# Altium PCB 0020-03_FFT2G.PcbDoc (part 3 of 16) (continued)
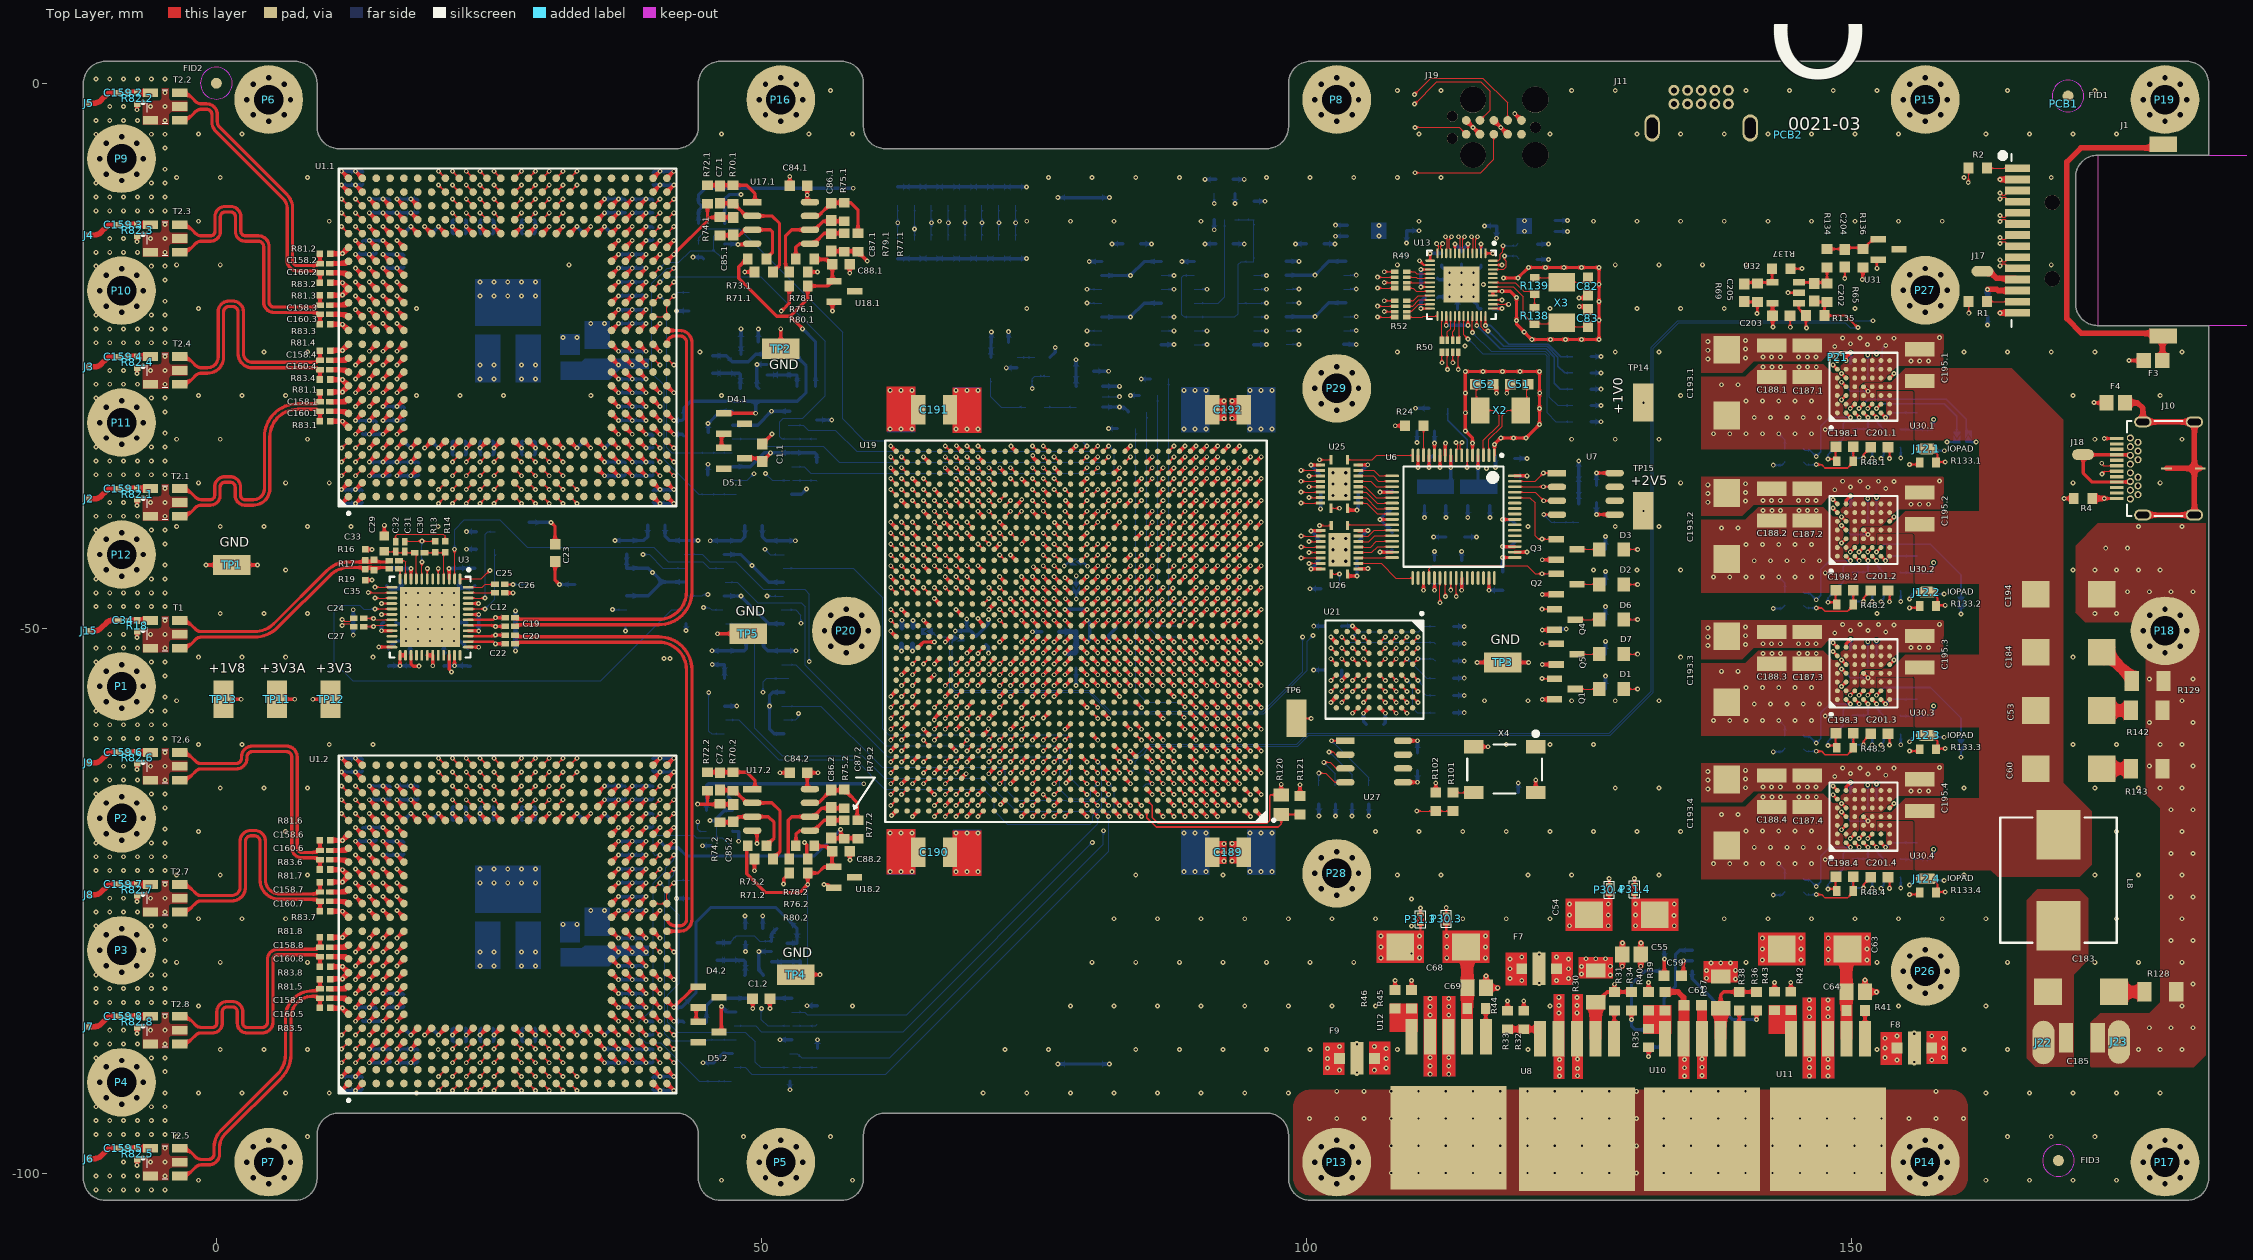
[diagram p0: Top Layer view]
## Footprints (in the part's own frame and the unit in brackets; to place one, negate y for a bottom-side part, rotate by r counter-clockwise, add the part's x,y. Pads: shape width x height; smd on the part's side, far side on the other; paste and mask are expansions set on the pad) (continued)
  rect 3.3x3.3 smd: 49(0,0)
  silkscreen extent -3.92,-3.15 3.15,3.15, body extent -3,-3 3,3, height 0.9
RESC1005L [mm] "Chip Resistor, Body 1.1x0.5mm, IPC High Density"
  rect 0.6x0.6 smd: 1(-0.5,0) 2(0.5,0)
  body extent -0.51,-0.25 0.54,0.25, height 0.4
RESC1608L [mm] "Chip Resistor, Body 1.6x0.8mm, IPC High Density"
  rect 0.7x0.9 smd: 1(-0.75,0) 2(0.75,0)
  body extent -0.82,-0.4 0.82,0.4, height 0.6
RESC1608N [mm] "Chip Resistor, Body 1.6x0.8mm, IPC Medium Density"
  rect 0.9x1 smd: 1(-0.85,0) 2(0.85,0)
  body extent -0.82,-0.4 0.82,0.4, height 0.6
RESC2012N [mm] "Chip Resistor, Body 2.0x1.3mm, IPC Medium Density"
  rect 1.2x1.4 smd: 1(-0.9,0) 2(0.9,0)
  body extent -1.02,-0.63 1.02,0.63, height 0.6
RESC3216N [mm] "Chip Resistor, Body 3.2x1.6mm, IPC Medium Density"
  rect 1.3x1.8 smd: 1(-1.45,0) 2(1.45,0)
  body extent -1.63,-0.8 1.62,0.8, height 0.7
RESCAXS50P100X200X45-8N [mm]
  rect 0.7x0.45 smd: 1(-0.55,0.75) 4(-0.55,-0.75) 5(0.55,-0.75) 8(0.55,0.75)
  rect 0.7x0.3 smd: 2(-0.55,0.25) 3(-0.55,-0.25) 6(0.55,-0.25) 7(0.55,0.25)
  body extent -0.55,-1 0.55,1, height 0.35
S1751-46 [mm] "S1751-46"
  rect 3.45x1.85 smd: 1(0,0)
  body extent -1.62,-0.82 1.63,0.83, height 2.05
SMT_IO_PAD_0.5x0.5MM [mm] "Square SMT_IO_PAD_0.5x0.5MM"
  rect 0.5x0.5 smd: 1(0,0)
  body extent -0.15,-0.15 0.15,0.15, height 0.1
SMT_IO_PAD_2x1MM [mm] "SMT_IO_PAD_2x1MM"
  oval 2x1 smd: 1(0,0)
  body extent -1,-0.5 1,0.5, height 0.5
SMT_IO_PAD_4x2MM [mm] "SMT_IO_PAD_4x2MM"
  oval 4x2 smd: 1(0,0)
  body extent -1.97,-1 2,1, height 0.5
SOIC127P600X175-8N [mm] "SOIC, 8-Leads, Body 5,0x4,0mm (max), Pitch 1,27mm, IPC Medium Density"
  rect 1.7x0.6 smd: 1(-2.65,1.905)
  oval 1.7x0.6 smd: 2(-2.65,0.635) 3(-2.65,-0.635) 4(-2.65,-1.905) 5(2.65,-1.905) 6(2.65,-0.635) 7(2.65,0.635) 8(2.65,1.905)
  body extent -3.1,-2.5 3.1,2.5, height 2.04
SOIC127P600X175-14L [mm] "SOIC, 14-Leads, Body 8.8x4.0mm (max), Pitch 1.27mm, IPC High Density"
  oval 1.25x0.55 smd: 1(-2.625,3.81) 2(-2.625,2.54) 3(-2.625,1.27) 4(-2.625,0) 5(-2.625,-1.27) 6(-2.625,-2.54) 7(-2.625,-3.81) 8(2.625,-3.81) 9(2.625,-2.54) 10(2.625,-1.27) 11(2.625,0) 12(2.625,1.27) 13(2.625,2.54) 14(2.625,3.81)
  silkscreen extent -2.75,-4.4 1.6,4.76, body extent -3,-4.4 3,4.4, height 1.75
SOIC127P600X175-14N [mm] "SOIC, 14-Leads, Body 8.8x4.0mm (max), Pitch 1.27mm, IPC Medium Density"
  oval 1.45x0.6 smd: 1(-2.725,3.81) 2(-2.725,2.54) 3(-2.725,1.27) 4(-2.725,0) 5(-2.725,-1.27) 6(-2.725,-2.54) 7(-2.725,-3.81) 8(2.725,-3.81) 9(2.725,-2.54) 10(2.725,-1.27) 11(2.725,0) 12(2.725,1.27) 13(2.725,2.54) 14(2.725,3.81)
  silkscreen extent -2.85,-4.4 1.6,4.78, body extent -3,-4.4 3,4.4, height 1.75
SolderJumper-Footprint-1 [mm]
  rect 0.25x0.6 smd paste-0.6 mask+0.075: 1(-0.475,0) 2(0.475,0)
  Top Layer region: -0.1,0.3 0.35,0 -0.1,-0.3 0.595,-0.3 0.595,0.3
  Top Layer region: -0.475,0.3 -0.35,0.3 0.1,0 -0.35,-0.3 -0.475,-0.3
  Top Layer region: 0.025,0.3
  Top Layer region: -0.475,0
  silkscreen extent -0.77,-0.48 0.77,0.48
SOT95P230X110-3N [mm] "SOT23, 3-Leads, Body 3,0x2,5mm (max), Pitch 0,95mm, IPC Medium Density"
  rect 1.4x0.6 smd: 1(-0.95,0.95) 2(-0.95,-0.95) 3(0.95,0)
  body extent -1.25,-1.5 1.25,1.5, height 1.07
SOT95P280X100-5N [mm] "SOT23, 5-Leads, Body 3,1x3,0mm (max), Pitch 0,95mm, IPC Medium Density"
  rect 1.1x0.6 smd: 1(-1.2,0.95) 2(-1.2,0) 3(-1.2,-0.95) 4(1.2,-0.95) 5(1.2,0.95)
  body extent -1.25,-1.5 1.25,1.5, height 1.07
SOTFL50P160X73-3N [mm] "SOTFL, 3-Leads, Body 1.60x1.60mm, Pitch 0.50mm, IPC Medium Density"
  rect 1.4x0.8 smd: 1(-1.333,1.27) 2(-1.333,-1.27) 3(1.333,-1.27) 4(1.333,0) 5(1.333,1.27)
  silkscreen extent -2.16,-1.52 0.25,1.52, body extent -1.61,-1.52 1.65,1.52, height 2.75
"TC2050-IDC without connector" [mm] "TC2050-IDC"
  round 0.8 smd paste-0.9: 1(-2.54,-0.635) 2(-1.27,-0.635) 3(0,-0.635) 4(1.27,-0.635) 5(2.54,-0.635) 6(2.54,0.635) 7(1.27,0.635) 8(0,0.635) 9(-1.27,0.635) 10(-2.54,0.635)
  round 1 hole 1 unplated paste-1.1: A(-3.81,0) B(3.81,-1.016) C(3.81,1.016)
  round 2.4 hole 2.4 unplated paste-2.5: D(-3.81,-2.54) E(1.905,-2.54) F(1.905,2.54) G(-3.81,2.54)
  body extent -6.22,-4.17 6.22,4.17, height 29.28
TO170P1394X457-6N [mm] "D2-PAK, 6-Pads, Body 9,4x10,5mm (max), IPC Medium Density"
  rect 3.25x1.1 smd: 1(-6.2,3.4) 2(-6.2,1.7) 3(-6.2,0) 4(-6.2,-1.7) 5(-6.2,-3.4)
  rect 9.5x10.65 smd: 6(3.05,0)
  body extent -7,-5.27 7,5.27, height 4.57
TP-SMD_1MM [mm] "TP-SMD_1MM"
  round 1 smd: 1(0,0)
TXB0108RGYR [mm]
  rect 0.85x0.28 smd mask+0.07: 1(-2.225,-0.75) 10(2.225,-0.75) 11(2.225,0.75) 20(-2.225,0.75)
  rect 0.28x0.85 smd mask+0.07: 2(-1.75,-1.725) 3(-1.25,-1.725) 4(-0.75,-1.725) 5(-0.25,-1.725) 6(0.25,-1.725) 7(0.75,-1.725) 8(1.25,-1.725) 9(1.75,-1.725) 12(1.75,1.725) 13(1.25,1.725) 14(0.75,1.725) 15(0.25,1.725) 16(-0.25,1.725) 17(-0.75,1.725) 18(-1.25,1.725) 19(-1.75,1.725)
  rect 3.05x2.05 smd mask+0.07: 21(0,0)
  body extent -1.75,-1.73 1.75,1.72, height 1
WE-HCI-1050 [mm] "SMD Inductor, 2-Leads, Body 10.5 x 10.2 mm"
  rect 4.55x4 smd: 1(-4.175,0) 2(4.175,0)
  silkscreen extent -5.75,-5.35 5.75,5.35, body extent -5.5,-5.1 5.5,5.1, height 5
XTAL_5x3.2MM [mm] "XTAL_5x3.2MM"
  rect 1.7x2.4 smd: 1(-1.85,0) 2(1.85,0)
  body extent -2.5,-1.6 2.5,1.6, height 1.2

## Part data
C1.1 C1.2 C2.1 C2.2 C176 C177 C178 C179 C180 C181 C182 C199.1 C199.2 C199.3 C201.1 C201.2 C201.3 C201.4: library part CMP-0300-002665-6, "Ceramic Chip Capacitor, 0603/1608", Capacitance=100nF, Package=1608/0603, Rated Voltage=50V, Temperature Charateristics=X7R, Tolerance=10%, Thickness=900µm, Weight=9mg
C3.1 C3.2: library part CMP-0300-002463-5, "Ceramic Chip Capacitor, 0603/1608", Capacitance=1nF, Package=1608/0603, Rated Voltage=50V, Temperature Charateristics=C0G, Tolerance=5%, Thickness=900µm, Weight=9mg
C4.1 C4.2 C6.1 C6.2 C7.1 C7.2 C85.1 C85.2 C86.1 C86.2 C87.1 C87.2 C202 C205: library part CMP-0300-002463-5, "Ceramic Chip Capacitor, 0603/1608"
C5.1 C5.2 C8 C9 C10 C11 C21 C23 C28 C36 C37 C38 C39 C40 C42 C43 C44 C47 C49 C50 C57 C59 C61 C65 C70 C84.1 C84.2 C88.1 C88.2 C161 C162 C163 C164 C165 C166 C167 C168 C203 C204: library part CMP-0300-002665-6, "Ceramic Chip Capacitor, 0603/1608"
C12 C19 C20 C22 C24 C25 C26 C27: library part CMP-0300-002965-5, "Ceramic Chip Capacitor, 0402/1005"
C13 C14 C15 C16 C17 C18 C113.1 C113.2 C114.1 C114.2 C115.1 C115.2 C116.1 C116.2 C117.1 C117.2 C118.1 C118.2 C119.1 C119.2 C120.1 C120.2 C121.1 C121.2 C122.1 C122.2 C123.1 C123.2 C124.1 C124.2 C125.1 C125.2 C126.1 C126.2 C127.1 C127.2 C128.1 C128.2 C129.1 C129.2 C130.1 C130.2 C131.1 C131.2 C132.1 C132.2 C133.1 C133.2 C134.1 C134.2 C135.1 C135.2 C136.1 C136.2 C137.1 C137.2 C147.1 C147.2 C148.1 C148.2 C149.1 C149.2 C150.1 C150.2 C151.1 C151.2 C152.1 C152.2 C153.1 C153.2 C154.1 C154.2 C157.1 C157.2: library part CMP-0300-002795-5, "Ceramic Chip Capacitor, 0402/1005"
C29: library part CMP-0300-002106-6, "Ceramic Chip Capacitor, 0603/1608"
C30: library part CMP-0300-002797-5, "Ceramic Chip Capacitor, 0402/1005"
C31: library part CMP-0300-002789-5, "Ceramic Chip Capacitor, 0402/1005"
C32: library part CMP-0300-002952-4, "Ceramic Chip Capacitor, 0402/1005"
C33 C34 C35: library part CMP-0300-000000-2, "100n 16V ±15% 0402 (1005 metric) ATC530L104KT16T"
C41 C45 C46 C48 C72 C74: library part CMP-0300-003983-5, "Ceramic Chip Capacitor, 0805/2012"
C51 C52: library part CMP-0300-002442-6, "Ceramic Chip Capacitor, 0603/1608"
C53 C54 C60 C63 C68 C169 C170 C171 C172 C173 C184: library part CMP-0300-000208-8, "Standard tantalum capacitor, 7343/Case E"
C55 C58 C64 C66 C69 C71: library part CMP-0300-002090-7, "Ceramic Chip Capacitor, 0805/2012"
C56 C81 C175: library part CMP-0300-002475-6, "Ceramic Chip Capacitor, 0603/1608"
C73 C75 C76 C77 C78 C79 C80 C90.1 C90.2 C91.1 C91.2 C92.1 C92.2 C93.1 C93.2 C94.1 C94.2 C95.1 C95.2 C96.1 C96.2 C97.1 C97.2 C98.1 C98.2 C99.1 C99.2 C100.1 C100.2 C101.1 C101.2 C102.1 C102.2 C103.1 C103.2 C104.1 C104.2 C105.1 C105.2 C106.1 C106.2 C107.1 C107.2 C108.1 C108.2 C109.1 C109.2 C110.1 C110.2 C111.1 C111.2 C112.1 C112.2 C139.1 C139.2 C140.1 C140.2 C141.1 C141.2 C142.1 C142.2 C143.1 C143.2 C144.1 C144.2 C145.1 C145.2 C146.1 C146.2 C156.1 C156.2: library part CMP-0300-002958-5, "Ceramic Chip Capacitor, 0402/1005"
C82 C83: library part CMP-0300-002440-6, "Ceramic Chip Capacitor, 0603/1608"
C89.1 C89.2 C138.1 C138.2 C155.1 C155.2: library part CMP-0300-000090-5, "Standard tantalum capacitor, 3528/Case B"
C158.1 C158.2 C158.3 C158.4 C158.5 C158.6 C158.7 C158.8 C159.1 C159.2 C159.3 C159.4 C159.5 C159.6 C159.7 C159.8 C160.1 C160.2 C160.3 C160.4 C160.5 C160.6 C160.7 C160.8: library part CMP-0300-000000-2, "100n 16V ±15% 0402 (1005 metric) ATC530L104KT16T", Case-EIA=0402, Case-Metric=1005, Dielectric=X7R, Maximum working voltage=16V, Tolerance=±15%, OmnisysBuy=False, Technology=SMT
C174 C199.4: library part CMP-0300-002107-6, "Ceramic Chip Capacitor, 0603/1608"
C183 C194: library part CMP-0300-000235-8, "Standard tantalum capacitor, 7343/Case E"
C185: library part CMP-0300-003012-4, "Ceramic Chip Capacitor, 1210/3225"
C187.1 C187.2 C187.3 C187.4 C188.1 C188.2 C188.3 C188.4: library part CMP-0300-002062-5, "Ceramic Chip Capacitor, 1210/3225", Capacitance=47µF, Case/Package=1210/3225, Rated Voltage=6.3V, Temperature Charateristics=X7R, Tolerance=10%, Thickness=2.7mm
C189 C190 C191 C192: library part CMP-0300-002062-5, "Ceramic Chip Capacitor, 1210/3225"
C193.1 C193.2 C193.3 C193.4: library part CMP-0300-000208-8, "Standard tantalum capacitor, 7343/Case E", Capacitance=330µF, Case/Package=7343, Rated Voltage=16V, Tolerance=20%, DCL=52.8A, DF=30%, ESR=0.4
C195.1 C195.2 C195.3 C195.4: library part CMP-0300-003327-5, "Ceramic Chip Capacitor, 1210/3225", Capacitance=22µF, Case/Package=1210/3225, Rated Voltage=16V, Temperature Charateristics=X7R, Tolerance=10%, Thickness=2.7mm
C197.1 C197.2 C197.3 C197.4: library part CMP-0300-002442-6, "Ceramic Chip Capacitor, 0603/1608", Capacitance=27pF, Package=1608/0603, Rated Voltage=50V, Temperature Charateristics=C0G, Tolerance=5%, Thickness=900µm, Weight=9mg
C198.1 C198.2 C198.3 C198.4: library part CMP-0300-002430-5, "Ceramic Chip Capacitor, 0603/1608", Capacitance=6.8pF, Package=1608/0603, Rated Voltage=50V, Temperature Charateristics=C0G, Tolerance=0%, Thickness=900µm, Weight=9mg
C200.1 C200.2 C200.3 C200.4: library part CMP-0300-002450-6, "Ceramic Chip Capacitor, 0603/1608", Capacitance=100pF, Package=1608/0603, Rated Voltage=50V, Temperature Charateristics=C0G, Tolerance=5%, Thickness=900µm, Weight=9mg
D1 D3 D6: library part CMP-1500-000004-3
D2 D7: library part CMP-1500-000001-3
D4.1 D4.2 D5.1 D5.2: library part CMP-0400-000272-1, "BAV99 Series 100 V 215 mA SMT High Speed Switching Diode - SOT-23", Average Rectified Current=215mA, Case/Package=TO-236-3, Forward Voltage=1.25V, Max Forward Surge Current (Ifsm)=4A, Max Operating Temperature=150°C, Max Repetitive Reverse Voltage (Vrrm)=100V, Max Reverse Leakage Current=500nA, Min Operating Temperature=-65°C, Package Quantity=1, Voltage=75V, Forward Current=215mA, Lead Free="Lead Free", Max Reverse Voltage (DC)=100V, Max Surge Current=4A, Mount="Surface Mount", Number of Pins=3, Packaging="Tape and Reel", Peak Non-Repetitive Surge Current=4A, Radiation Hardening=No, REACH SVHC="No SVHC", Recovery Time=4ns, Reverse Recovery Time=4ns
F1 F2 F5 F6 F12 F13: library part CMP-0600-000010-2, "Ferrite bead, Würth Elektronik WE-CBF 2012 (0805), 74279206 ,  30.0 Ω  @  100.0MHz"
F3 F4: library part CMP-0600-000010-2, "Ferrite bead, Würth Elektronik WE-CBF 2012 (0805), 74279206 ,  30.0 Ω  @  100.0MHz", PartNumber=74279206, Zmax@Freq="55.0 Ω  @      1.0 GHz", IDC="3.0 A", RDC="25.0 mΩ", Type="High Current", Z@Freq="30.0 Ω  @  100.0MHz"
F7 F8 F9: library part CMP-0600-000138-4, "2n2 +50%-50%  25V/6A NFE31PT222Z1E9 LC Combined Filter Feed through Type"
FID1 FID2 FID3: library part CMP-1600-000001-2, "Pick and place fiducial"
J1: library part CMP-1000-000522-2, "CONN MAGJACK 1PORT 1000 BASE-T", Color=Green,Yellow,Black, Max Operating Temperature=70°C, Min Operating Temperature=0°C, Package Quantity=100, PartNumber=7498111120AR, Connector Type=RJ45, Contact Material=Bronze, Contact Plating=Gold, Direction=Up, Gender=Female, Housing Material=Polymer, Lead Free="Lead Free", Mount="Surface Mount,Edge", Mounting type=SMD, Number of Contacts=8, Number of Cores per Jack=8, Number of Ports=1, Number of Positions=8, Number of Rows=1, Packaging="Tape and Reel", Pins=14, Pitch=2.54mm, REACH SVHC=Unknown, Rows=1, Shielding=Shielded, Termination=SMD/SMT
J2 J3 J4 J5 J6 J7 J8 J9 J15: library part CMP-1000-000525-1, "Square IO pad 0.5x0.5mm used for test points and flying leads."
J10: library part CMP-1502-03214-1, "USB 3.1 Type C Receptacle WR-COM, Horizontal, SMT / THT", Contact Resistance=30mOhm, Manufacturer="Wurth Elektronik", Operating Temperature=-40to105degC, Rated Current=5A, Working Voltage=20VDC, Connector Type=USB3.1TypeC, Datasheet URL=https://katalog.we-online.de/em/datasheet/632723x00011%282%29.pdf, Gender=Receptacle, Manufacturer URL=http://www.we-online.de, Mounting Technology=SMT/THT, Orientation=Horizontal, Package Reference=632723300011, Packaging=TapeandReel, Part Number=632723300011, Publisher=WurthElektronik
J11: library part CMP-1000-000523-2, "CONN HDR 1.25MM R/A PCB 10POS", Color=Green, Connector Type="Male Pin", Contact Plating=Gold, Mount="Through Hole", Number of Pins=10, Number of Positions=10, Number of Rows=2, Packaging="Cut Strip", Pins=10, Pitch=0.049inch, Rows=2, Row Spacing=0.049inch, Termination=Solder
J12.1 J12.2 J12.3 J12.4 J13.1 J13.2 J13.3 J13.4 J16.1 J16.2 J16.3 J16.4 J17 J18 J21.1 J21.2 J21.3 J21.4 J22 J23: library part CMP-1000-000152-5, "IO pad used for test points and flying leads."
J14.1 J14.2 J14.3 J14.4 J20.1 J20.2 J20.3 J20.4: library part CMP-3600-000000-1, "TP SMD 1mm"
J19: library part CMP-1000-000509-3, "CBL PLUG-OF-NAILS 10-PIN"
L8: library part CMP-1200-000454-1, "Inductor, SMD, 1005 0.72 uH 22 A ±20%, 744325072, Würth Elektronik"
P1 P2 P3 P4 P5 P6 P7 P8 P9 P10 P11 P12 P13 P14 P15 P16 P17 P18 P19 P20 P26 P27 P28 P29: library part CMP-1600-000026-1, "Mounting hole, M2.5-6.3mm pad"
P21: library part CMP-1600-000016-1, "Copper object for merging nets on PCB"
P22 P23 P24 P25 P30.1 P30.2 P30.3 P30.4 P31.1 P31.2 P31.3 P31.4: library part CMP-1600-000025-5, "Solder jumper, clearance 0.125mm"
PCB1: library part CMP-4700-000008-1, "Full logo in Silkscreen"
PCB2: library part CMP-4700-000000-3, "PCB part number, silkscreen layer"
Q1 Q4: library part CMP-1700-000042-1, "MOSFET N-CH 100V 170MA SOT-23"
Q2 Q3 Q5: library part CMP-1700-000037-1, "ON SEMICONDUCTOR - FDN338P - P CHANNEL MOSFET, -20V, 1.6A SUPER SOT-3"
R1 R2: library part CMP-1800-002005-5, "Thick film Chip Resistor, 0603/1608", Case/Package=0603/1608, Maximum working voltage=75V, Power=100mW, Temp. Coefficent=0.01%, Tolerance=1%, Composition="Thick film"
R3 R4: library part CMP-1800-001949-5, "Thick film Chip Resistor, 0603/1608", Case/Package=0603/1608, Maximum working voltage=75V, Power=0W, Temp. Coefficent=0%, Composition="Thick film", Tolerance=0%
R5 R6 R7 R8 R9 R10: library part CMP-1800-001411-4, "Thick film Chip Resistor, 0402/1005"
R11: library part CMP-1800-002400-4, "Thin film Chip Resistor, 0603/1608"
R12: library part CMP-1800-002038-5, "Thick film Chip Resistor, 0603/1608"
R13: library part CMP-1800-001437-4, "Thick film Chip Resistor, 0402/1005"
R14: library part CMP-1800-001430-4, "Thick film Chip Resistor, 0402/1005"
R15 R28 R29 R110: library part CMP-1800-002010-5, "Thick film Chip Resistor, 0603/1608"
R16 R19: library part CMP-1800-001390-4, "Thick film Chip Resistor, 0402/1005"
R17 R18: library part CMP-1800-001397-4, "Thick film Chip Resistor, 0402/1005"
R20 R21 R22 R24 R26 R27 R65 R65.1 R65.2 R69 R69.1 R69.2 R70.1 R70.2 R74.1 R74.2 R75.1 R75.2 R79.1 R79.2: library part CMP-1800-002045-5, "Thick film Chip Resistor, 0603/1608"
R23 R34 R36: library part CMP-1800-002029-5, "Thick film Chip Resistor, 0603/1608"
R25 R71.1 R71.2 R73.1 R73.2 R76.1 R76.2 R78.1 R78.2: library part CMP-1800-002047-5, "Thick film Chip Resistor, 0603/1608"
R30 R37: library part CMP-1800-002821-3, "Thick film Chip Resistor, 1206/3216"
R31 R32 R38 R39 R41 R42 R44 R84 R85 R86 R87 R88 R89 R90 R91 R92 R93 R94 R95 R96 R97 R98 R99 R100 R103 R104 R105 R106 R107 R108 R111 R112: library part CMP-1800-002037-5, "Thick film Chip Resistor, 0603/1608"
R33 R40 R43 R46: library part CMP-1800-002031-5, "Thick film Chip Resistor, 0603/1608"
R35 R80.1 R80.2 R135 R136: library part CMP-1800-002021-5, "Thick film Chip Resistor, 0603/1608"
R45: library part CMP-1800-002024-5, "Thick film Chip Resistor, 0603/1608"
R47.1 R47.2 R47.3 R47.4: library part CMP-1800-002089-5, "Thick film Chip Resistor, 0603/1608", Case/Package=0603/1608, Maximum working voltage=75V, Power=100mW, Temp. Coefficent=0.01%, Tolerance=1%, Composition="Thick film"
R48.1 R48.2 R48.3 R48.4: library part CMP-1800-002529-4, "Thin film Chip Resistor, 0603/1608", Case/Package=0603/1608, Maximum working voltage=50V, Power=100mW, Temp. Coefficent=0.0015%, Tolerance=0.1%, Composition="Thin film"
R49 R50 R52: library part CMP-1800-003024-3, "Thick film resistor array, 4 Resistors, Convex terminals, 0804/2010"
R51 R53 R54 R55 R56 R57: library part CMP-1800-002028-5, "Thick film Chip Resistor, 0603/1608"
R58.1 R58.2 R59.1 R59.2 R60.1 R60.2 R61.1 R61.2 R62.1 R62.2 R64.1 R64.2 R123: library part CMP-1800-002037-5, "Thick film Chip Resistor, 0603/1608", Case/Package=0603/1608, Maximum working voltage=75V, Power=100mW, Temp. Coefficent=0.01%, Tolerance=1%, Composition="Thick film"
R63.1 R63.2: library part CMP-1800-000000-5, "Thick film Chip Resistor, 0805/2012", Case/Package=0805/2012, Maximum working voltage=150V, Power=0W, Temp. Coefficent=0%, Composition="Thick film", Tolerance=0%
R66.1 R66.2 R68.1 R68.2 R134 R137: library part CMP-1800-002071-5, "Thick film Chip Resistor, 0603/1608"
R67.1 R67.2 R72.1 R72.2 R77.1 R77.2 R122: library part CMP-1800-001998-5, "Thick film Chip Resistor, 0603/1608"
R81.1 R81.2 R81.3 R81.4 R81.5 R81.6 R81.7 R81.8 R82.1 R82.2 R82.3 R82.4 R82.5 R82.6 R82.7 R82.8 R83.1 R83.2 R83.3 R83.4 R83.5 R83.6 R83.7 R83.8: library part CMP-1800-001397-4, "Thick film Chip Resistor, 0402/1005", Case/Package=0402/1005, Maximum working voltage=50V, Power=100mW, Temp. Coefficent=0.01%, Tolerance=1%, Composition="Thick film"
R101: library part CMP-1800-002002-5, "Thick film Chip Resistor, 0603/1608"
R102: library part CMP-1800-002014-5, "Thick film Chip Resistor, 0603/1608"
R109 R119: library part CMP-1800-002005-5, "Thick film Chip Resistor, 0603/1608"
R113 R114 R115 R117: library part CMP-1800-001949-5, "Thick film Chip Resistor, 0603/1608"
R116: library part CMP-1800-002049-5, "Thick film Chip Resistor, 0603/1608"
R118: library part CMP-1800-002061-5, "Thick film Chip Resistor, 0603/1608"
R120: library part CMP-1800-003166-2, "10K NTC resistor 1%  0805 (2012 metric)"
R121: library part CMP-1800-002087-5, "Thick film Chip Resistor, 0603/1608"
R124 R125 R126 R127 R133.1 R133.2 R133.3 R133.4: library part CMP-1800-002045-5, "Thick film Chip Resistor, 0603/1608", Case/Package=0603/1608, Maximum working voltage=75V, Power=100mW, Temp. Coefficent=0.01%, Tolerance=1%, Composition="Thick film"
R128 R129 R142 R143: library part CMP-1800-003168-2, "Thick film Chip Resistor, 1206/3216"
R130.1 R130.2 R130.3 R130.4 R131.1 R131.2 R131.3 R131.4 R132.1 R132.2 R132.3 R132.4: library part CMP-1800-003157-4, "Thick film Chip Resistor, 0603/1608", Case/Package=0603/1608, Maximum working voltage=75V, Power=100mW, Temp. Coefficent=0.01%, Tolerance=1%, Composition="Thick film"
R138: library part CMP-1800-002093-5, "Thick film Chip Resistor, 0603/1608"
R139: library part CMP-1800-001988-5, "Thick film Chip Resistor, 0603/1608"
R144.1 R144.2 R144.3 R144.4 R145.1 R145.2 R145.3 R145.4: library part CMP-1800-001974-5, "Thick film Chip Resistor, 0603/1608", Case/Package=0603/1608, Maximum working voltage=75V, Power=100mW, Temp. Coefficent=0.01%, Tolerance=1%, Composition="Thick film"
T1: library part CMP-2000-000004-1, "Transformers Audio & Signal 4.5-3000MHz IL 2dB Impedance Ratio 1:1"
T2.1 T2.2 T2.3 T2.4 T2.5 T2.6 T2.7 T2.8: library part CMP-2000-000004-1, "Transformers Audio & Signal 4.5-3000MHz IL 2dB Impedance Ratio 1:1", Case/Package=SMD/SMT, Max DC Current=30mA, Max Operating Temperature=85°C, Min Operating Temperature=-40°C, Package Quantity=2000, Power Rating=250mW, Depth=3.81mm, Height=2.67mm, Lead Free="Contains Lead", Length=3.81mm, Mount="Surface Mount", Number of Pins=5, Packaging="Tape and Reel", Radiation Hardening=No, Termination=SMD/SMT, Turns Ratio=1:1, Width=3.81mm
TP1 TP2 TP3 TP4 TP5 TP6 TP7 TP8 TP9 TP10 TP11 TP12 TP13 TP14 TP15: library part CMP-3600-000004-2, "SMD Test point clip"
  TP1 TP2 TP3 TP4 TP5 TP7 TP8 TP9 TP10: PartNumber=S1751-46
U1.1 U1.2: library part CMP-2100-000558-3, "Quad ADC 1.25Gsps 10-bit Parallel/LVDS 380-Pin EBGA", Mount="Surface Mount", Number of A/D Converters=4, Number of Analog Inputs=1, Number of Pins=380, PartNumber=EV10AQ190AVTPY, Resolution=10b, Sampling Rate=1.25GS/s
U2 U4 U5 U20: library part CMP-2100-000562-3, "Buffer/Line Driver 4-CH Non-Inverting 3-ST CMOS 14-Pin SOIC Tube"
U3: library part CMP-2100-000590-1, "IC CLOCK GEN 6CH 2.65GHZ 48LFCSP"
U6: library part CMP-2100-000591-1, "FTDI Chip FT2232HL Dual UART Interface RS232, RS422, RS485 480Mbit/s, 64-Pin, LQFP"
U7: library part CMP-2100-000589-1, "IC EEPROM 1KBIT 2MHZ 8SOIC"
U8 U10 U11 U12: library part CMP-2100-000275-3, "3A, Fast Transient Respons, Low noise LOD regulator"
U9: library part CMP-2100-000592-1, "IC, OP AMP, SINGLE, 1MHZ, SMD"
U13: library part CMP-2100-000583-2, "Single Port Gigabit Ethernet Copper PHY"
U14.1 U14.2 U28 U29: library part CMP-2100-000562-3, "Buffer/Line Driver 4-CH Non-Inverting 3-ST CMOS 14-Pin SOIC Tube", Case/Package=SOIC, High Level Output Current=-8mA, Low Level Output Current=8mA, Max Operating Temperature=125°C, Max Supply Voltage=5.5V, Min Operating Temperature=-40°C, Min Supply Voltage=2V, Package Quantity=50, Quiescent Current=4uA, Height=1.58mm, Lead Free="Lead Free", Length=8.65mm, Logic Function=Buffer,Inverting, Mount="Surface Mount", Number of Bits=4, Number of Bits per Element=1, Number of Channels=4, Number of Elements=4, Number of Input Lines=4, Number of Inputs=4, Number of Output Lines=4, Number of Outputs=4, Number of Pins=14, Packaging=Rail/Tube, Polarity=Non-Inverting, Propagation Delay=15ns, Radiation Hardening=No, REACH SVHC="No SVHC", Termination=SMD/SMT, Turn-On Delay Time=11.5ns, Width=3.91mm
U15.1 U15.2 U22 U24: library part CMP-2100-000126-2, "Single bus buffer gate with 3-state output"
U16.1 U16.2 U32: library part CMP-2100-000593-1, "Zero-Drift Operational Amplifiers in SOT-23"
U17.1 U17.2: library part CMP-2100-000588-1, "215MHz, Rail-to-Rail Output, 1.1nV/√Hz, 3.5mA Op Amp"
U18.1 U18.2 U31: library part CMP-2100-000594-1, "1.2 V Precision Low Noise Shunt Voltage Reference"
U19: library part CMP-2100-000586-1, "FPGA Virtex-6 LXT Family 241152 Cells 40nm (CMOS) Technology 1V 1156-Pin FCBGA", Case/Package=FCBGA, Max Operating Temperature=100°C, Min Operating Temperature=-40°C, Operating Supply Voltage=1V, Package Quantity=1, Mount="Surface Mount", Number of I/Os=600, Number of Logic Blocks (LABs)=18840, Number of Logic Elements/Cells=241152, Number of Pins=1156, RAM Size=15335424b, Speed Grade=2
U21: library part CMP-2100-000561-2, "IC FLASH MEM 512MBIT PAGE 64BGA"
U23: library part CMP-2100-000175-2, "Microprocessor Supervisory Circuits With Watchdog Timer and Manual Reset SOT-23-5, reset th: 3.08V"
U25 U26: library part CMP-2100-000560-2, "TEXAS INSTRUMENTS   TXB0108RGYR   TRANSLATOR, VOLTAGE, 8BIT, 20VQFN", Case/Package=QFN, High Level Output Current=-20uA, Low Level Output Current=20uA, Max Operating Temperature=85°C, Max Supply Voltage=5.5V, Min Operating Temperature=-40°C, Min Supply Voltage=1.2V, Nominal Supply Current=10uA, Package Quantity=1, Quiescent Current=3.5uA, Contact Plating=Gold, Data Rate=100Mbps, Height=0.8mm, Lead Free="Lead Free", Length=4.5mm, Logic Function=Translator, Mount="Surface Mount", Number of Bits=8, Number of Channels=8, Number of Inputs=8, Number of Pins=20, Output Current=20uA, Packaging="Tape and Reel", PartNumber=TXB0108RGYR, Propagation Delay=4ns, Radiation Hardening=No, REACH SVHC="No SVHC", Rise Time=0.8ns, Termination=SMD/SMT, Turn-On Delay Time=9.5ns, Weight=0.001517oz, Width=3.5mm
U27: library part CMP-2100-000589-1, "IC EEPROM 1KBIT 2MHZ 8SOIC", Case/Package=SOIC, Frequency=2MHz, Max Frequency=1MHz, Max Operating Temperature=85°C, Max Supply Voltage=5.5V, Min Operating Temperature=-40°C, Min Supply Voltage=1.8V, Nominal Supply Current=2mA, Package Quantity=3300, Access Time=250ns, Density=1Kb, Interface=Serial, Lead Free="Lead Free", Memory Size=1Kb, Memory Type=EEPROM, Mount="Surface Mount", Number of Pins=8, Packaging="Tape and Reel", Radiation Hardening=No
U30.1 U30.2 U30.3 U30.4: library part CMP-2100-000582-3, "20Vin, 15A Step-Down DC/DC uModule Regulator"
X1 X4: library part CMP-2400-000012-1, "OSC TCXO 20.000MHZ LVCMOS SMD"
X2: library part CMP-2400-000025-1, "12MHz 5 x 3.2 mm SMD GLASS CRYSTAL"
X3: library part CMP-2400-000020-1, "25MHz 5 x 3.2 mm SMD GLASS CRYSTAL"

## Via types
v1: diameter 0.45, hole 0.2, Top Layer to Bottom Layer, tented both sides, 3249 vias
v2: diameter 1, hole 0.5, Top Layer to Bottom Layer, tented both sides, 192 vias
v3: diameter 0.5, hole 0.2, Top Layer to Bottom Layer, tented both sides, 34 vias
v4: diameter 0.6, hole 0.3, Top Layer to Bottom Layer, tented both sides, 12 vias
v5: diameter 0.6, hole 0.2, Top Layer to Bottom Layer, tented both sides, 6 vias
v6: diameter 0.45/0.45/0.45/0.45/0.45/0.45/0.45 (per signal layer), hole 0.2, Top Layer to Bottom Layer, tented both sides, 4 vias

## Nets (pads, with @x,y where several pads share a name; then routed paths per layer and width w, separated by ;. In a path a pad name is that pad's centre, name@x,y a point inside that pad or via, vN(x,y) a via of type N, cw(c..) or ccw(c..) an arc to the next point about the centre after c; other vN are vias at no path point)
+1V0: C72.2 C73.1 C169.1 C170.1 C171.1 C172.1 C187.1.1 C188.1.1 C189.1 C190.1 C191.1 C192.1 C193.1.1 C197.1.1 F12.1 P30.1.2 R130.2.2 R144.1.2 TP14.1 U13.14 U13.24 U19.AA12 U19.AA14 U19.AA16 U19.AA18 U19.AA20 U19.AB11 U19.AB13 U19.AB15 U19.AB17 U19.AB19 U19.AB21 U19.M19 U19.M21 U19.N12 U19.N14 U19.N16 U19.N18 U19.N20 U19.P11 U19.P13 U19.P15 U19.P17 U19.P19 U19.P21 U19.R10 U19.R12 U19.R14 U19.R16 U19.R18 U19.R20 U19.T11 U19.T13 U19.T15 U19.T19 U19.T21 U19.U10 U19.U12 U19.U14 U19.U16 U19.U20 U19.V11 U19.V13 U19.V15 U19.V19 U19.V21 U19.W12 U19.W14 U19.W16 U19.W20 U19.Y11 U19.Y13 U19.Y15 U19.Y17 U19.Y19 U19.Y21 U30.1.A1 U30.1.A2 U30.1.A3 U30.1.A4 U30.1.A5 U30.1.F3 U30.1.G1 U30.1.G2 U30.1.G3 | length 65.9
  Top Layer w0.125: v1(90.799,-28.18) v1(90.799,-28.18)
  Top Layer w0.2: v1(110.395,-16.286) 110.795,-16.686 U13.14@111.371,-16.686 ; v1(110.516,-20.686) U13.24@111.371,-20.686
  Top Layer w0.3: v1(74.875,-56.28) U19.M21@75.375,-55.78 ; v1(74.875,-54.28) U19.P21@75.375,-53.78 ; v1(74.875,-52.28) U19.T21@75.375,-51.78 ; v1(74.875,-49.28) U19.V21@75.375,-49.78 ; v1(74.875,-47.28) U19.Y21@75.375,-47.78 ; v1(74.875,-45.28) U19.AB21@75.375,-45.78 ; v1(75.875,-55.28) U19.N20@76.375,-54.78 ; v1(75.875,-53.28) U19.R20@76.375,-52.78 ; v1(75.875,-51.28) U19.U20@76.375,-50.78 ; v1(75.875,-48.28) U19.W20@76.375,-48.78 ; v1(75.875,-46.28) U19.AA20@76.375,-46.78 ; v1(76.875,-56.28) U19.M19@77.375,-55.78 ; v1(76.875,-54.28) U19.P19@77.375,-53.78 ; v1(76.875,-52.28) U19.T19@77.375,-51.78 ; v1(76.875,-49.28) U19.V19@77.375,-49.78 ; v1(76.875,-47.28) U19.Y19@77.375,-47.78 ; v1(76.875,-45.28) U19.AB19@77.375,-45.78 ; v1(77.875,-55.28) U19.N18@78.375,-54.78 ; v1(77.875,-53.28) U19.R18@78.375,-52.78 ; v1(77.875,-46.28) U19.AA18@78.375,-46.78 ; U19.P17@79.375,-53.78 v1(79.875,-54.28) ; U19.Y17@79.375,-47.78 v1(79.875,-47.28) ; U19.AB17@79.375,-45.78 v1(79.875,-45.28) ; U19.N16@80.375,-54.78 v1(80.875,-55.28) ; U19.R16@80.375,-52.78 v1(80.875,-53.28) ; U19.U16@80.375,-50.78 v1(80.875,-51.28) ; U19.W16@80.375,-48.78 v1(80.875,-48.28) ; U19.AA16@80.375,-46.78 v1(80.875,-46.28) ; U19.P15@81.375,-53.78 v1(81.875,-54.28) ; U19.T15@81.375,-51.78 v1(81.875,-52.28) ; U19.V15@81.375,-49.78 v1(81.875,-49.28) ; U19.Y15@81.375,-47.78 v1(81.875,-47.28) ; U19.AB15@81.375,-45.78 v1(81.875,-45.28) ; U19.N14@82.375,-54.78 v1(82.875,-55.28) ; U19.R14@82.375,-52.78 v1(82.875,-53.28) ; U19.U14@82.375,-50.78 v1(82.875,-51.28) ; U19.W14@82.375,-48.78 v1(82.875,-48.28) ; U19.AA14@82.375,-46.78 v1(82.875,-46.28) ; U19.P13@83.375,-53.78 v1(83.875,-54.28) ; U19.T13@83.375,-51.78 v1(83.875,-52.28) ; U19.V13@83.375,-49.78 v1(83.875,-49.28) ; U19.Y13@83.375,-47.78 v1(83.875,-47.28) ; U19.AB13@83.375,-45.78 v1(83.875,-45.28) ; U19.N12@84.375,-54.78 v1(84.875,-55.28) ; U19.R12@84.375,-52.78 v1(84.875,-53.28) ; U19.U12@84.375,-50.78 v1(84.875,-51.28) ; U19.W12@84.375,-48.78 v1(84.875,-48.28) ; U19.AA12@84.375,-46.78 v1(84.875,-46.28) ; U19.P11@85.375,-53.78 v1(85.875,-54.28) ; U19.T11@85.375,-51.78 v1(85.875,-52.28) ; U19.V11@85.375,-49.78 v1(85.875,-49.28) ; U19.Y11@85.375,-47.78 v1(85.875,-47.28) ; U19.AB11@85.375,-45.78 v1(85.875,-45.28) ; U19.R10@86.375,-52.78 v1(86.875,-53.28) ; U19.U10@86.375,-50.78 v1(86.875,-51.28)
  LVDS3 w0.15: v1(146.359,-32.165) 147.24,-32.165 155.358,-40.283 v1(155.358,-47.322)
  Bottom Layer w0.15: v1(77.8,-44.3) 77.825,-44.3 78.163,-43.962 78.388,-43.962 P30.1.2@78.425,-43.925 ; v1(143.359,-32.165) 143.925,-32.731 R144.1.2@143.925,-33.55 ; v1(147.625,-31.775) 147.626,-31.774 C197.1.1@148.556,-31.774 ; v1@155.358,-47.272 155.415,-47.215 155.415,-47.131 155.974,-46.573 R130.2.2@156.024,-46.573
  Bottom Layer w0.3: v1(110.516,-20.686) 110.516,-19.988 110.794,-19.709 C73.1@110.944,-19.709
  other v1: 67.876,-72.349 68.876,-72.349 69.876,-72.349 88.799,-72.349 89.799,-72.349 90.799,-72.349 92.443,-71.384 92.443,-70.584 92.443,-69.784 67.876,-68.794 68.876,-68.794 69.876,-68.794 88.799,-68.794 89.799,-68.794 90.799,-68.794 137.359,-32.165 138.859,-32.165 140.359,-32.165 141.859,-32.165 144.859,-32.165 67.876,-31.735 68.876,-31.735 69.876,-31.735 88.799,-31.735 89.799,-31.735 90.799,-31.735 92.443,-30.77 141.109,-30.665 142.609,-30.665 144.109,-30.665 145.609,-30.665 147.109,-30.665 92.443,-29.97 130.946,-29.321 92.443,-29.17 140.359,-29.165 141.859,-29.165 143.359,-29.165 144.859,-29.165 146.359,-29.165 67.876,-28.18 68.876,-28.18 69.876,-28.18 88.799,-28.18 89.799,-28.18 138.109,-27.665 139.609,-27.665 141.927,-26.044 142.727,-26.044 143.527,-26.044 145.204,-26.044 146.004,-26.044 146.804,-26.044 106.665,-14.016 106.665,-13.05